# KiCad board rgbwstrip120_250_panel.kicad_pcb (continued)
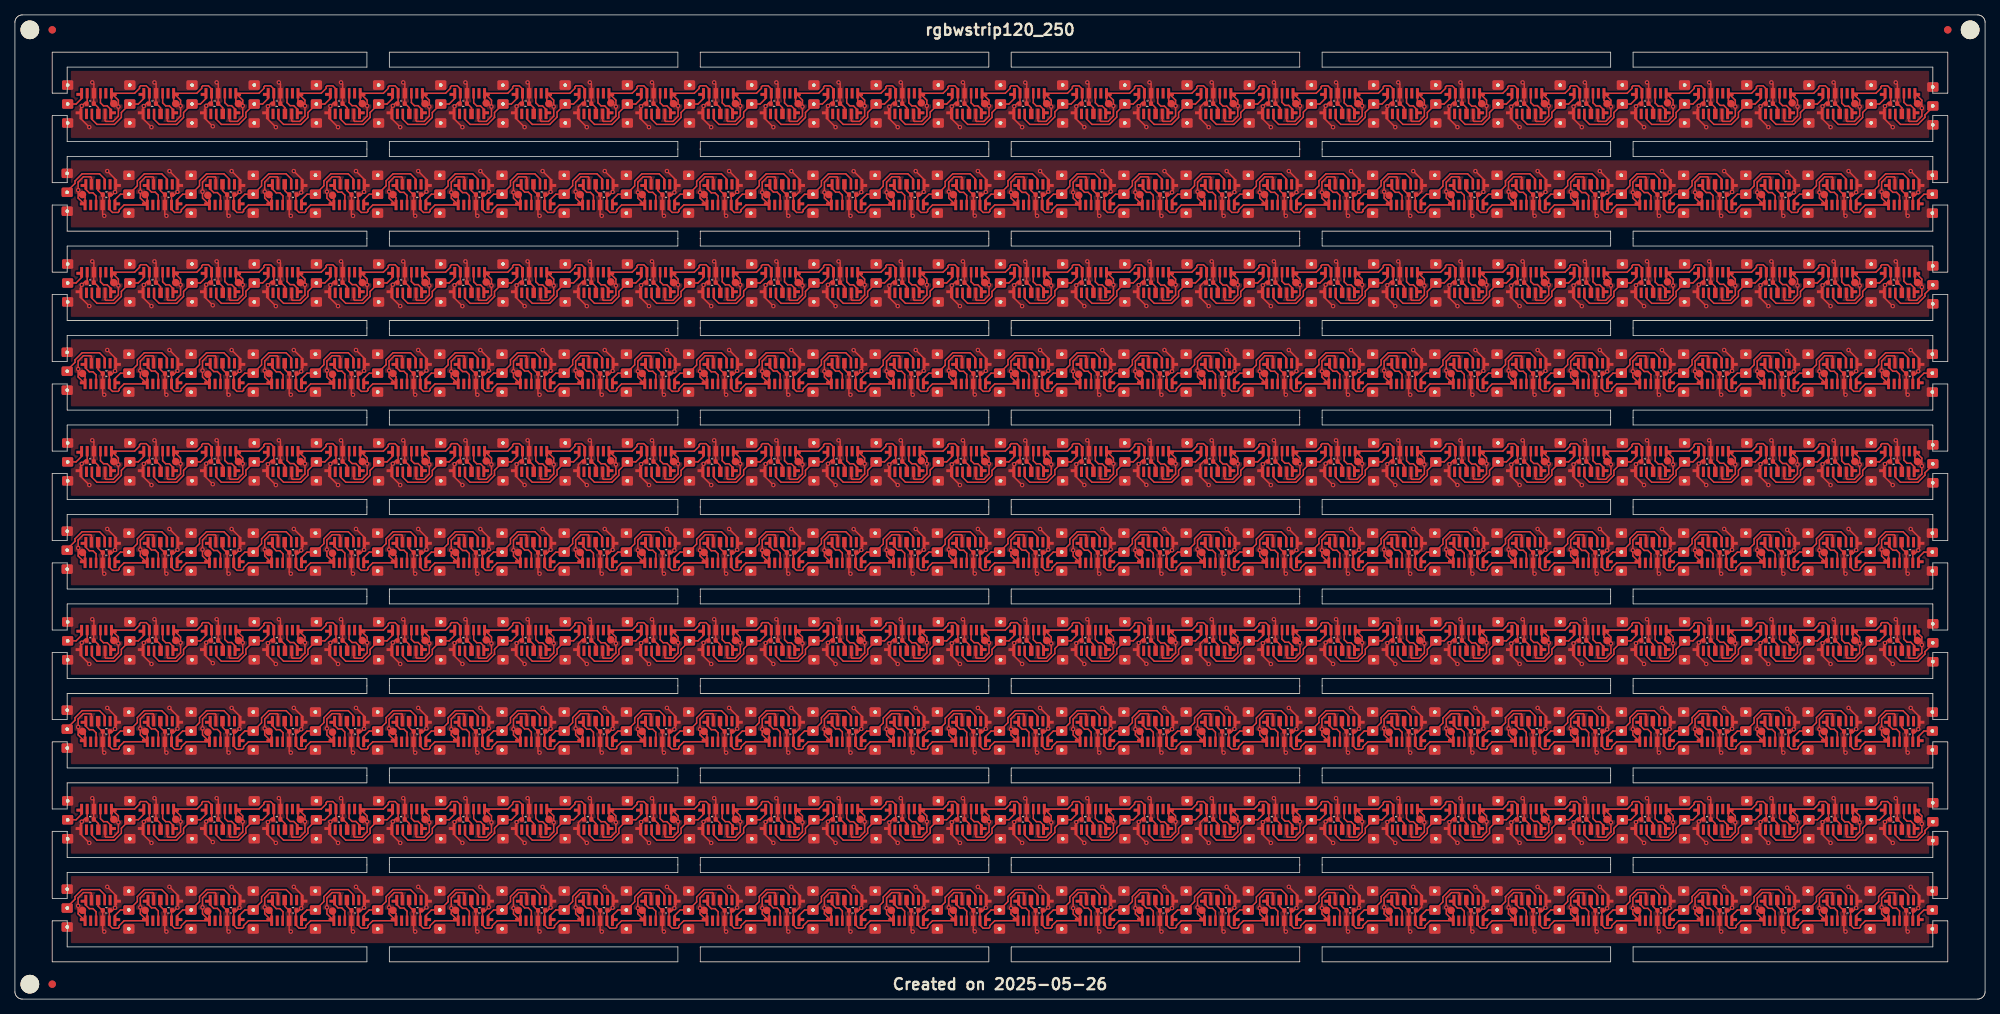
[diagram p0: board, top side]
## Nets (continued)
Board_2-Net-(J31-Pin_2): J31#3.2 U59#3.3
Board_2-Net-(U1-DIN): U1.6 U2#8.3
Board_2-Net-(U3-DIN): U3#3.6 U4#3.3
Board_2-Net-(U5-DIN): U5#5.6 U6#9.3
Board_2-Net-(U7-DIN): U7#3.6 U8#5.3
Board_2-Net-(U10-DOUT): U9.6 U10.3
Board_2-Net-(U11-DIN): U11#5.6 U12#6.3
Board_2-Net-(U13-DIN): U13#7.6 U14.3
Board_2-Net-(U15-DIN): U15.6 U16#3.3
Board_2-Net-(U17-DIN): U17#9.6 U18#9.3
Board_2-Net-(U19-DIN): U19#7.6 U20#7.3
Board_2-Net-(U21-DIN): U21#6.6 U22#7.3
Board_2-Net-(U23-DIN): U23.6 U24.3
Board_2-Net-(U25-DIN): U25#5.6 U26#7.3
Board_2-Net-(U27-DIN): U27#5.6 U28#9.3
Board_2-Net-(U29-DIN): U29#3.6 U30#4.3
Board_2-Net-(U31-DIN): U31#8.6 U32#4.3
Board_2-Net-(U33-DIN): U33#6.6 U34.3
Board_2-Net-(U35-DIN): U35#8.6 U36#10.3
Board_2-Net-(U37-DIN): U37#6.6 U38#8.3
Board_2-Net-(U39-DIN): U39#7.6 U40#5.3
Board_2-Net-(U41-DIN): U41#5.6 U42#9.3
Board_2-Net-(U43-DIN): U43#8.6 U44#4.3
Board_2-Net-(U45-DIN): U45#10.6 U46#8.3
Board_2-Net-(U47-DIN): U47#10.6 U48#5.3
Board_2-Net-(U49-DIN): U49#4.6 U50#9.3
Board_2-Net-(U51-DIN): U51.6 U52#6.3
Board_2-Net-(U53-DIN): U53#3.6 U54#2.3
Board_2-Net-(U55-DIN): U55#3.6 U56#8.3
Board_2-Net-(U57-DIN): U57#7.6 U58#8.3
Board_2-Net-(U59-DIN): U59#3.6 U60#2.3
Board_2-unconnected-(U1-NC-Pad2): U1.2
Board_2-unconnected-(U2-NC-Pad2): U2#8.2
Board_2-unconnected-(U3-NC-Pad2): U3#3.2
Board_2-unconnected-(U4-NC-Pad2): U4#3.2
Board_2-unconnected-(U5-NC-Pad2): U5#5.2
Board_2-unconnected-(U6-NC-Pad2): U6#9.2
Board_2-unconnected-(U7-NC-Pad2): U7#3.2
Board_2-unconnected-(U8-NC-Pad2): U8#5.2
Board_2-unconnected-(U9-NC-Pad2): U9.2
Board_2-unconnected-(U10-NC-Pad2): U10.2
Board_2-unconnected-(U11-NC-Pad2): U11#5.2
Board_2-unconnected-(U12-NC-Pad2): U12#6.2
Board_2-unconnected-(U13-NC-Pad2): U13#7.2
Board_2-unconnected-(U14-NC-Pad2): U14.2
Board_2-unconnected-(U15-NC-Pad2): U15.2
Board_2-unconnected-(U16-NC-Pad2): U16#3.2
Board_2-unconnected-(U17-NC-Pad2): U17#9.2
Board_2-unconnected-(U18-NC-Pad2): U18#9.2
Board_2-unconnected-(U19-NC-Pad2): U19#7.2
Board_2-unconnected-(U20-NC-Pad2): U20#7.2
Board_2-unconnected-(U21-NC-Pad2): U21#6.2
Board_2-unconnected-(U22-NC-Pad2): U22#7.2
Board_2-unconnected-(U23-NC-Pad2): U23.2
Board_2-unconnected-(U24-NC-Pad2): U24.2
Board_2-unconnected-(U25-NC-Pad2): U25#5.2
Board_2-unconnected-(U26-NC-Pad2): U26#7.2
Board_2-unconnected-(U27-NC-Pad2): U27#5.2
Board_2-unconnected-(U28-NC-Pad2): U28#9.2
Board_2-unconnected-(U29-NC-Pad2): U29#3.2
Board_2-unconnected-(U30-NC-Pad2): U30#4.2
Board_2-unconnected-(U31-NC-Pad2): U31#8.2
Board_2-unconnected-(U32-NC-Pad2): U32#4.2
Board_2-unconnected-(U33-NC-Pad2): U33#6.2
Board_2-unconnected-(U34-NC-Pad2): U34.2
Board_2-unconnected-(U35-NC-Pad2): U35#8.2
Board_2-unconnected-(U36-NC-Pad2): U36#10.2
Board_2-unconnected-(U37-NC-Pad2): U37#6.2
Board_2-unconnected-(U38-NC-Pad2): U38#8.2
Board_2-unconnected-(U39-NC-Pad2): U39#7.2
Board_2-unconnected-(U40-NC-Pad2): U40#5.2
Board_2-unconnected-(U41-NC-Pad2): U41#5.2
Board_2-unconnected-(U42-NC-Pad2): U42#9.2
Board_2-unconnected-(U43-NC-Pad2): U43#8.2
Board_2-unconnected-(U44-NC-Pad2): U44#4.2
Board_2-unconnected-(U45-NC-Pad2): U45#10.2
Board_2-unconnected-(U46-NC-Pad2): U46#8.2
Board_2-unconnected-(U47-NC-Pad2): U47#10.2
Board_2-unconnected-(U48-NC-Pad2): U48#5.2
Board_2-unconnected-(U49-NC-Pad2): U49#4.2
Board_2-unconnected-(U50-NC-Pad2): U50#9.2
Board_2-unconnected-(U51-NC-Pad2): U51.2
Board_2-unconnected-(U52-NC-Pad2): U52#6.2
Board_2-unconnected-(U53-NC-Pad2): U53#3.2
Board_2-unconnected-(U54-NC-Pad2): U54#2.2
Board_2-unconnected-(U55-NC-Pad2): U55#3.2
Board_2-unconnected-(U56-NC-Pad2): U56#8.2
Board_2-unconnected-(U57-NC-Pad2): U57#7.2
Board_2-unconnected-(U58-NC-Pad2): U58#8.2
Board_2-unconnected-(U59-NC-Pad2): U59#3.2
Board_2-unconnected-(U60-NC-Pad2): U60#2.2
Board_3-+3.3V: C1#10.1 C2#5.1 C3.1 C4#7.1 C5#9.1 C6#2.1 C7#3.1 C8#4.1 C9#4.1 C10#4.1 C11#10.1 C12#9.1 C13#2.1 C14#7.1 C15#8.1 C16#6.1 C17#9.1 C18#10.1 C19#6.1 C20#3.1 C21#9.1 C22#8.1 C23#4.1 C24#4.1 C25#2.1 C26#2.1 C27.1 C28#6.1 C29#9.1 C30#3.1 J1#3.1 J2#2.1 J3#4.1 J4#4.1 J5#3.1 J6#7.1 J7#4.1 J8#5.1 J9#4.1 J10#3.1 J11#4.1 J12#5.1 J13.1 J14#6.1 J15#5.1 J16#9.1 J17#9.1 J18.1 J19#7.1 J20#6.1 J21.1 J22#5.1 J23.1 J24.1 J25#2.1 J26#7.1 J27#9.1 J28#2.1 J29#5.1 J30#2.1 J31.1 K1#10.1 K2#8.1 K3#3.1 K4#3.1 K5#8.1 K6.1 K7#6.1 K8#4.1 K9#2.1 K10#9.1 K11#4.1 K12.1 K13#3.1 K14#10.1 K15#7.1 K16#10.1 K17#4.1 K18#3.1 K19#10.1 K20#3.1 K21#10.1 K22#6.1 K23#4.1 K24#3.1 K25#4.1 K26#10.1 K27#10.1 K28#6.1 K29#4.1 K30.1 U1#8.1 U1#8.5 U2#7.1 U2#7.5 U3#6.1 U3#6.5 U4#7.1 U4#7.5 U5#6.1 U5#6.5 U6#5.1 U6#5.5 U7#5.1 U7#5.5 U8#2.1 U8#2.5 U9#7.1 U9#7.5 U10#7.1 U10#7.5 U11#9.1 U11#9.5 U12#8.1 U12#8.5 U13#3.1 U13#3.5 U14#7.1 U14#7.5 U15#3.1 U15#3.5 U16.1 U16.5 U17.1 U17.5 U18#3.1 U18#3.5 U19#8.1 U19#8.5 U20#9.1 U20#9.5 U21#4.1 U21#4.5 U22#4.1 U22#4.5 U23#9.1 U23#9.5 U24#8.1 U24#8.5 U25#6.1 U25#6.5 U26#10.1 U26#10.5 U27#2.1 U27#2.5 U28#10.1 U28#10.5 U29#7.1 U29#7.5 U30#8.1 U30#8.5 U31#5.1 U31#5.5 U32#7.1 U32#7.5 U33#7.1 U33#7.5 U34#10.1 U34#10.5 U35.1 U35.5 U36#6.1 U36#6.5 U37#9.1 U37#9.5 U38#7.1 U38#7.5 U39#4.1 U39#4.5 U40#8.1 U40#8.5 U41.1 U41.5 U42.1 U42.5 U43#3.1 U43#3.5 U44#3.1 U44#3.5 U45#5.1 U45#5.5 U46#2.1 U46#2.5 U47#2.1 U47#2.5 U48#3.1 U48#3.5 U49#5.1 U49#5.5 U50#8.1 U50#8.5 U51#4.1 U51#4.5 U52#5.1 U52#5.5 U53#10.1 U53#10.5 U54#5.1 U54#5.5 U55#7.1 U55#7.5 U56#3.1 U56#3.5 U57#6.1 U57#6.5 U58#6.1 U58#6.5 U59#2.1 U59#2.5 U60#10.1 U60#10.5
Board_3-GND: C1#10.2 C2#5.2 C3.2 C4#7.2 C5#9.2 C6#2.2 C7#3.2 C8#4.2 C9#4.2 C10#4.2 C11#10.2 C12#9.2 C13#2.2 C14#7.2 C15#8.2 C16#6.2 C17#9.2 C18#10.2 C19#6.2 C20#3.2 C21#9.2 C22#8.2 C23#4.2 C24#4.2 C25#2.2 C26#2.2 C27.2 C28#6.2 C29#9.2 C30#3.2 J1#3.3 J2#2.3 J3#4.3 J4#4.3 J5#3.3 J6#7.3 J7#4.3 J8#5.3 J9#4.3 J10#3.3 J11#4.3 J12#5.3 J13.3 J14#6.3 J15#5.3 J16#9.3 J17#9.3 J18.3 J19#7.3 J20#6.3 J21.3 J22#5.3 J23.3 J24.3 J25#2.3 J26#7.3 J27#9.3 J28#2.3 J29#5.3 J30#2.3 J31.3 U1#8.4 U2#7.4 U3#6.4 U4#7.4 U5#6.4 U6#5.4 U7#5.4 U8#2.4 U9#7.4 U10#7.4 U11#9.4 U12#8.4 U13#3.4 U14#7.4 U15#3.4 U16.4 U17.4 U18#3.4 U19#8.4 U20#9.4 U21#4.4 U22#4.4 U23#9.4 U24#8.4 U25#6.4 U26#10.4 U27#2.4 U28#10.4 U29#7.4 U30#8.4 U31#5.4 U32#7.4 U33#7.4 U34#10.4 U35.4 U36#6.4 U37#9.4 U38#7.4 U39#4.4 U40#8.4 U41.4 U42.4 U43#3.4 U44#3.4 U45#5.4 U46#2.4 U47#2.4 U48#3.4 U49#5.4 U50#8.4 U51#4.4 U52#5.4 U53#10.4 U54#5.4 U55#7.4 U56#3.4 U57#6.4 U58#6.4 U59#2.4 U60#10.4
Board_3-Net-(J1-Pin_2): J1#3.2 U2#7.6
Board_3-Net-(J2-Pin_2): J2#2.2 U1#8.3 U4#7.6
Board_3-Net-(J3-Pin_2): J3#4.2 U3#6.3 U6#5.6
Board_3-Net-(J4-Pin_2): J4#4.2 U5#6.3 U8#2.6
Board_3-Net-(J5-Pin_2): J5#3.2 U7#5.3 U10#7.6
Board_3-Net-(J6-Pin_2): J6#7.2 U9#7.3 U12#8.6
Board_3-Net-(J7-Pin_2): J7#4.2 U11#9.3 U14#7.6
Board_3-Net-(J8-Pin_2): J8#5.2 U13#3.3 U16.6
Board_3-Net-(J9-Pin_2): J9#4.2 U15#3.3 U18#3.6
Board_3-Net-(J10-Pin_2): J10#3.2 U17.3 U20#9.6
Board_3-Net-(J11-Pin_2): J11#4.2 U19#8.3 U22#4.6
Board_3-Net-(J12-Pin_2): J12#5.2 U21#4.3 U24#8.6
Board_3-Net-(J13-Pin_2): J13.2 U23#9.3 U26#10.6
Board_3-Net-(J14-Pin_2): J14#6.2 U25#6.3 U28#10.6
Board_3-Net-(J15-Pin_2): J15#5.2 U27#2.3 U30#8.6
Board_3-Net-(J16-Pin_2): J16#9.2 U29#7.3 U32#7.6
Board_3-Net-(J17-Pin_2): J17#9.2 U31#5.3 U34#10.6
Board_3-Net-(J18-Pin_2): J18.2 U33#7.3 U36#6.6
Board_3-Net-(J19-Pin_2): J19#7.2 U35.3 U38#7.6
Board_3-Net-(J20-Pin_2): J20#6.2 U37#9.3 U40#8.6
Board_3-Net-(J21-Pin_2): J21.2 U39#4.3 U42.6
Board_3-Net-(J22-Pin_2): J22#5.2 U41.3 U44#3.6
Board_3-Net-(J23-Pin_2): J23.2 U43#3.3 U46#2.6
Board_3-Net-(J24-Pin_2): J24.2 U45#5.3 U48#3.6
Board_3-Net-(J25-Pin_2): J25#2.2 U47#2.3 U50#8.6
Board_3-Net-(J26-Pin_2): J26#7.2 U49#5.3 U52#5.6
Board_3-Net-(J27-Pin_2): J27#9.2 U51#4.3 U54#5.6
Board_3-Net-(J28-Pin_2): J28#2.2 U53#10.3 U56#3.6
Board_3-Net-(J29-Pin_2): J29#5.2 U55#7.3 U58#6.6
Board_3-Net-(J30-Pin_2): J30#2.2 U57#6.3 U60#10.6
Board_3-Net-(J31-Pin_2): J31.2 U59#2.3
Board_3-Net-(U1-DIN): U1#8.6 U2#7.3
Board_3-Net-(U3-DIN): U3#6.6 U4#7.3
Board_3-Net-(U5-DIN): U5#6.6 U6#5.3
Board_3-Net-(U7-DIN): U7#5.6 U8#2.3
Board_3-Net-(U10-DOUT): U9#7.6 U10#7.3
Board_3-Net-(U11-DIN): U11#9.6 U12#8.3
Board_3-Net-(U13-DIN): U13#3.6 U14#7.3
Board_3-Net-(U15-DIN): U15#3.6 U16.3
Board_3-Net-(U17-DIN): U17.6 U18#3.3
Board_3-Net-(U19-DIN): U19#8.6 U20#9.3
Board_3-Net-(U21-DIN): U21#4.6 U22#4.3
Board_3-Net-(U23-DIN): U23#9.6 U24#8.3
Board_3-Net-(U25-DIN): U25#6.6 U26#10.3
Board_3-Net-(U27-DIN): U27#2.6 U28#10.3
Board_3-Net-(U29-DIN): U29#7.6 U30#8.3
Board_3-Net-(U31-DIN): U31#5.6 U32#7.3
Board_3-Net-(U33-DIN): U33#7.6 U34#10.3
Board_3-Net-(U35-DIN): U35.6 U36#6.3
Board_3-Net-(U37-DIN): U37#9.6 U38#7.3
Board_3-Net-(U39-DIN): U39#4.6 U40#8.3
Board_3-Net-(U41-DIN): U41.6 U42.3
Board_3-Net-(U43-DIN): U43#3.6 U44#3.3
Board_3-Net-(U45-DIN): U45#5.6 U46#2.3
Board_3-Net-(U47-DIN): U47#2.6 U48#3.3
Board_3-Net-(U49-DIN): U49#5.6 U50#8.3
Board_3-Net-(U51-DIN): U51#4.6 U52#5.3
Board_3-Net-(U53-DIN): U53#10.6 U54#5.3
Board_3-Net-(U55-DIN): U55#7.6 U56#3.3
Board_3-Net-(U57-DIN): U57#6.6 U58#6.3
Board_3-Net-(U59-DIN): U59#2.6 U60#10.3
Board_3-unconnected-(U1-NC-Pad2): U1#8.2
Board_3-unconnected-(U2-NC-Pad2): U2#7.2
Board_3-unconnected-(U3-NC-Pad2): U3#6.2
Board_3-unconnected-(U4-NC-Pad2): U4#7.2
Board_3-unconnected-(U5-NC-Pad2): U5#6.2
Board_3-unconnected-(U6-NC-Pad2): U6#5.2
Board_3-unconnected-(U7-NC-Pad2): U7#5.2
Board_3-unconnected-(U8-NC-Pad2): U8#2.2
Board_3-unconnected-(U9-NC-Pad2): U9#7.2
Board_3-unconnected-(U10-NC-Pad2): U10#7.2
Board_3-unconnected-(U11-NC-Pad2): U11#9.2
Board_3-unconnected-(U12-NC-Pad2): U12#8.2
Board_3-unconnected-(U13-NC-Pad2): U13#3.2
Board_3-unconnected-(U14-NC-Pad2): U14#7.2
Board_3-unconnected-(U15-NC-Pad2): U15#3.2
Board_3-unconnected-(U16-NC-Pad2): U16.2
Board_3-unconnected-(U17-NC-Pad2): U17.2
Board_3-unconnected-(U18-NC-Pad2): U18#3.2
Board_3-unconnected-(U19-NC-Pad2): U19#8.2
Board_3-unconnected-(U20-NC-Pad2): U20#9.2
Board_3-unconnected-(U21-NC-Pad2): U21#4.2
Board_3-unconnected-(U22-NC-Pad2): U22#4.2
Board_3-unconnected-(U23-NC-Pad2): U23#9.2
Board_3-unconnected-(U24-NC-Pad2): U24#8.2
Board_3-unconnected-(U25-NC-Pad2): U25#6.2
Board_3-unconnected-(U26-NC-Pad2): U26#10.2
Board_3-unconnected-(U27-NC-Pad2): U27#2.2
Board_3-unconnected-(U28-NC-Pad2): U28#10.2
Board_3-unconnected-(U29-NC-Pad2): U29#7.2
Board_3-unconnected-(U30-NC-Pad2): U30#8.2
Board_3-unconnected-(U31-NC-Pad2): U31#5.2
Board_3-unconnected-(U32-NC-Pad2): U32#7.2
Board_3-unconnected-(U33-NC-Pad2): U33#7.2
Board_3-unconnected-(U34-NC-Pad2): U34#10.2
Board_3-unconnected-(U35-NC-Pad2): U35.2
Board_3-unconnected-(U36-NC-Pad2): U36#6.2
Board_3-unconnected-(U37-NC-Pad2): U37#9.2
Board_3-unconnected-(U38-NC-Pad2): U38#7.2
Board_3-unconnected-(U39-NC-Pad2): U39#4.2
Board_3-unconnected-(U40-NC-Pad2): U40#8.2
Board_3-unconnected-(U41-NC-Pad2): U41.2
Board_3-unconnected-(U42-NC-Pad2): U42.2
Board_3-unconnected-(U43-NC-Pad2): U43#3.2
Board_3-unconnected-(U44-NC-Pad2): U44#3.2
Board_3-unconnected-(U45-NC-Pad2): U45#5.2
Board_3-unconnected-(U46-NC-Pad2): U46#2.2
Board_3-unconnected-(U47-NC-Pad2): U47#2.2
Board_3-unconnected-(U48-NC-Pad2): U48#3.2
Board_3-unconnected-(U49-NC-Pad2): U49#5.2
Board_3-unconnected-(U50-NC-Pad2): U50#8.2
Board_3-unconnected-(U51-NC-Pad2): U51#4.2
Board_3-unconnected-(U52-NC-Pad2): U52#5.2
Board_3-unconnected-(U53-NC-Pad2): U53#10.2
Board_3-unconnected-(U54-NC-Pad2): U54#5.2
Board_3-unconnected-(U55-NC-Pad2): U55#7.2
Board_3-unconnected-(U56-NC-Pad2): U56#3.2
Board_3-unconnected-(U57-NC-Pad2): U57#6.2
Board_3-unconnected-(U58-NC-Pad2): U58#6.2
Board_3-unconnected-(U59-NC-Pad2): U59#2.2
Board_3-unconnected-(U60-NC-Pad2): U60#10.2
Board_4-+3.3V: C1#3.1 C2#6.1 C3#7.1 C4#2.1 C5.1 C6#7.1 C7#4.1 C8#9.1 C9#3.1 C10#6.1 C11#6.1 C12#10.1 C13#7.1 C14#8.1 C15#6.1 C16#8.1 C17.1 C18#4.1 C19#10.1 C20.1 C21#4.1 C22#4.1 C23#10.1 C24#9.1 C25#8.1 C26#9.1 C27#4.1 C28.1 C29#8.1 C30#9.1 J1#4.1 J2#7.1 J3.1 J4#9.1 J5#10.1 J6#10.1 J7#10.1 J8#3.1 J9#6.1 J10#2.1 J11#9.1 J12#6.1 J13#6.1 J14#4.1 J15#3.1 J16#8.1 J17#2.1 J18#5.1 J19#3.1 J20#9.1 J21#3.1 J22.1 J23#6.1 J24#10.1 J25#9.1 J26#10.1 J27#4.1 J28#3.1 J29#8.1 J30#7.1 J31#5.1 K1#8.1 K2#7.1 K3#2.1 K4#5.1 K5#10.1 K6#2.1 K7#10.1 K8#8.1 K9.1 K10#3.1 K11#6.1 K12#2.1 K13#2.1 K14#7.1 K15#5.1 K16#3.1 K17#3.1 K18#9.1 K19#4.1 K20#2.1 K21#7.1 K22#8.1 K23#5.1 K24#7.1 K25#8.1 K26#6.1 K27#5.1 K28#3.1 K29#8.1 K30#3.1 U1#2.1 U1#2.5 U2#5.1 U2#5.5 U3#9.1 U3#9.5 U4#4.1 U4#4.5 U5#8.1 U5#8.5 U6#3.1 U6#3.5 U7#9.1 U7#9.5 U8#9.1 U8#9.5 U9#8.1 U9#8.5 U10#6.1 U10#6.5 U11#2.1 U11#2.5 U12#3.1 U12#3.5 U13#8.1 U13#8.5 U14#8.1 U14#8.5 U15#9.1 U15#9.5 U16#4.1 U16#4.5 U17#6.1 U17#6.5 U18#8.1 U18#8.5 U19#2.1 U19#2.5 U20#10.1 U20#10.5 U21#3.1 U21#3.5 U22#3.1 U22#3.5 U23#6.1 U23#6.5 U24#7.1 U24#7.5 U25#10.1 U25#10.5 U26.1 U26.5 U27#3.1 U27#3.5 U28#8.1 U28#8.5 U29#5.1 U29#5.5 U30#5.1 U30#5.5 U31#2.1 U31#2.5 U32#9.1 U32#9.5 U33#2.1 U33#2.5 U34#9.1 U34#9.5 U35#9.1 U35#9.5 U36#4.1 U36#4.5 U37.1 U37.5 U38#3.1 U38#3.5 U39#3.1 U39#3.5 U40#2.1 U40#2.5 U41#8.1 U41#8.5 U42#7.1 U42#7.5 U43.1 U43.5 U44.1 U44.5 U45#2.1 U45#2.5 U46#3.1 U46#3.5 U47#7.1 U47#7.5 U48#8.1 U48#8.5 U49#7.1 U49#7.5 U50#7.1 U50#7.5 U51#3.1 U51#3.5 U52#9.1 U52#9.5 U53#6.1 U53#6.5 U54#6.1 U54#6.5 U55#2.1 U55#2.5 U56#5.1 U56#5.5 U57#2.1 U57#2.5 U58#5.1 U58#5.5 U59#4.1 U59#4.5 U60#9.1 U60#9.5
Board_4-GND: C1#3.2 C2#6.2 C3#7.2 C4#2.2 C5.2 C6#7.2 C7#4.2 C8#9.2 C9#3.2 C10#6.2 C11#6.2 C12#10.2 C13#7.2 C14#8.2 C15#6.2 C16#8.2 C17.2 C18#4.2 C19#10.2 C20.2 C21#4.2 C22#4.2 C23#10.2 C24#9.2 C25#8.2 C26#9.2 C27#4.2 C28.2 C29#8.2 C30#9.2 J1#4.3 J2#7.3 J3.3 J4#9.3 J5#10.3 J6#10.3 J7#10.3 J8#3.3 J9#6.3 J10#2.3 J11#9.3 J12#6.3 J13#6.3 J14#4.3 J15#3.3 J16#8.3 J17#2.3 J18#5.3 J19#3.3 J20#9.3 J21#3.3 J22.3 J23#6.3 J24#10.3 J25#9.3 J26#10.3 J27#4.3 J28#3.3 J29#8.3 J30#7.3 J31#5.3 U1#2.4 U2#5.4 U3#9.4 U4#4.4 U5#8.4 U6#3.4 U7#9.4 U8#9.4 U9#8.4 U10#6.4 U11#2.4 U12#3.4 U13#8.4 U14#8.4 U15#9.4 U16#4.4 U17#6.4 U18#8.4 U19#2.4 U20#10.4 U21#3.4 U22#3.4 U23#6.4 U24#7.4 U25#10.4 U26.4 U27#3.4 U28#8.4 U29#5.4 U30#5.4 U31#2.4 U32#9.4 U33#2.4 U34#9.4 U35#9.4 U36#4.4 U37.4 U38#3.4 U39#3.4 U40#2.4 U41#8.4 U42#7.4 U43.4 U44.4 U45#2.4 U46#3.4 U47#7.4 U48#8.4 U49#7.4 U50#7.4 U51#3.4 U52#9.4 U53#6.4 U54#6.4 U55#2.4 U56#5.4 U57#2.4 U58#5.4 U59#4.4 U60#9.4
Board_4-Net-(J1-Pin_2): J1#4.2 U2#5.6
Board_4-Net-(J2-Pin_2): J2#7.2 U1#2.3 U4#4.6
Board_4-Net-(J3-Pin_2): J3.2 U3#9.3 U6#3.6
Board_4-Net-(J4-Pin_2): J4#9.2 U5#8.3 U8#9.6
Board_4-Net-(J5-Pin_2): J5#10.2 U7#9.3 U10#6.6
Board_4-Net-(J6-Pin_2): J6#10.2 U9#8.3 U12#3.6
Board_4-Net-(J7-Pin_2): J7#10.2 U11#2.3 U14#8.6
Board_4-Net-(J8-Pin_2): J8#3.2 U13#8.3 U16#4.6
Board_4-Net-(J9-Pin_2): J9#6.2 U15#9.3 U18#8.6
Board_4-Net-(J10-Pin_2): J10#2.2 U17#6.3 U20#10.6
Board_4-Net-(J11-Pin_2): J11#9.2 U19#2.3 U22#3.6
Board_4-Net-(J12-Pin_2): J12#6.2 U21#3.3 U24#7.6
Board_4-Net-(J13-Pin_2): J13#6.2 U23#6.3 U26.6
Board_4-Net-(J14-Pin_2): J14#4.2 U25#10.3 U28#8.6
Board_4-Net-(J15-Pin_2): J15#3.2 U27#3.3 U30#5.6
Board_4-Net-(J16-Pin_2): J16#8.2 U29#5.3 U32#9.6
Board_4-Net-(J17-Pin_2): J17#2.2 U31#2.3 U34#9.6
Board_4-Net-(J18-Pin_2): J18#5.2 U33#2.3 U36#4.6
Board_4-Net-(J19-Pin_2): J19#3.2 U35#9.3 U38#3.6
Board_4-Net-(J20-Pin_2): J20#9.2 U37.3 U40#2.6
Board_4-Net-(J21-Pin_2): J21#3.2 U39#3.3 U42#7.6
Board_4-Net-(J22-Pin_2): J22.2 U41#8.3 U44.6
Board_4-Net-(J23-Pin_2): J23#6.2 U43.3 U46#3.6
Board_4-Net-(J24-Pin_2): J24#10.2 U45#2.3 U48#8.6
Board_4-Net-(J25-Pin_2): J25#9.2 U47#7.3 U50#7.6
Board_4-Net-(J26-Pin_2): J26#10.2 U49#7.3 U52#9.6
Board_4-Net-(J27-Pin_2): J27#4.2 U51#3.3 U54#6.6
Board_4-Net-(J28-Pin_2): J28#3.2 U53#6.3 U56#5.6
Board_4-Net-(J29-Pin_2): J29#8.2 U55#2.3 U58#5.6
Board_4-Net-(J30-Pin_2): J30#7.2 U57#2.3 U60#9.6
Board_4-Net-(J31-Pin_2): J31#5.2 U59#4.3
Board_4-Net-(U1-DIN): U1#2.6 U2#5.3
Board_4-Net-(U3-DIN): U3#9.6 U4#4.3
Board_4-Net-(U5-DIN): U5#8.6 U6#3.3
Board_4-Net-(U7-DIN): U7#9.6 U8#9.3
Board_4-Net-(U10-DOUT): U9#8.6 U10#6.3
Board_4-Net-(U11-DIN): U11#2.6 U12#3.3
Board_4-Net-(U13-DIN): U13#8.6 U14#8.3
Board_4-Net-(U15-DIN): U15#9.6 U16#4.3
Board_4-Net-(U17-DIN): U17#6.6 U18#8.3
Board_4-Net-(U19-DIN): U19#2.6 U20#10.3
Board_4-Net-(U21-DIN): U21#3.6 U22#3.3
Board_4-Net-(U23-DIN): U23#6.6 U24#7.3
Board_4-Net-(U25-DIN): U25#10.6 U26.3
Board_4-Net-(U27-DIN): U27#3.6 U28#8.3
Board_4-Net-(U29-DIN): U29#5.6 U30#5.3
Board_4-Net-(U31-DIN): U31#2.6 U32#9.3
Board_4-Net-(U33-DIN): U33#2.6 U34#9.3
Board_4-Net-(U35-DIN): U35#9.6 U36#4.3
Board_4-Net-(U37-DIN): U37.6 U38#3.3
Board_4-Net-(U39-DIN): U39#3.6 U40#2.3
Board_4-Net-(U41-DIN): U41#8.6 U42#7.3
Board_4-Net-(U43-DIN): U43.6 U44.3
Board_4-Net-(U45-DIN): U45#2.6 U46#3.3
Board_4-Net-(U47-DIN): U47#7.6 U48#8.3
Board_4-Net-(U49-DIN): U49#7.6 U50#7.3
Board_4-Net-(U51-DIN): U51#3.6 U52#9.3
Board_4-Net-(U53-DIN): U53#6.6 U54#6.3
Board_4-Net-(U55-DIN): U55#2.6 U56#5.3
Board_4-Net-(U57-DIN): U57#2.6 U58#5.3
Board_4-Net-(U59-DIN): U59#4.6 U60#9.3
Board_4-unconnected-(U1-NC-Pad2): U1#2.2
Board_4-unconnected-(U2-NC-Pad2): U2#5.2
Board_4-unconnected-(U3-NC-Pad2): U3#9.2
Board_4-unconnected-(U4-NC-Pad2): U4#4.2
Board_4-unconnected-(U5-NC-Pad2): U5#8.2
Board_4-unconnected-(U6-NC-Pad2): U6#3.2
Board_4-unconnected-(U7-NC-Pad2): U7#9.2
Board_4-unconnected-(U8-NC-Pad2): U8#9.2
Board_4-unconnected-(U9-NC-Pad2): U9#8.2
Board_4-unconnected-(U10-NC-Pad2): U10#6.2
Board_4-unconnected-(U11-NC-Pad2): U11#2.2
Board_4-unconnected-(U12-NC-Pad2): U12#3.2
Board_4-unconnected-(U13-NC-Pad2): U13#8.2
Board_4-unconnected-(U14-NC-Pad2): U14#8.2
Board_4-unconnected-(U15-NC-Pad2): U15#9.2
Board_4-unconnected-(U16-NC-Pad2): U16#4.2
Board_4-unconnected-(U17-NC-Pad2): U17#6.2
Board_4-unconnected-(U18-NC-Pad2): U18#8.2
Board_4-unconnected-(U19-NC-Pad2): U19#2.2
Board_4-unconnected-(U20-NC-Pad2): U20#10.2
Board_4-unconnected-(U21-NC-Pad2): U21#3.2
Board_4-unconnected-(U22-NC-Pad2): U22#3.2
Board_4-unconnected-(U23-NC-Pad2): U23#6.2
Board_4-unconnected-(U24-NC-Pad2): U24#7.2
Board_4-unconnected-(U25-NC-Pad2): U25#10.2
Board_4-unconnected-(U26-NC-Pad2): U26.2
Board_4-unconnected-(U27-NC-Pad2): U27#3.2
Board_4-unconnected-(U28-NC-Pad2): U28#8.2
Board_4-unconnected-(U29-NC-Pad2): U29#5.2
Board_4-unconnected-(U30-NC-Pad2): U30#5.2
Board_4-unconnected-(U31-NC-Pad2): U31#2.2
Board_4-unconnected-(U32-NC-Pad2): U32#9.2
Board_4-unconnected-(U33-NC-Pad2): U33#2.2
Board_4-unconnected-(U34-NC-Pad2): U34#9.2
Board_4-unconnected-(U35-NC-Pad2): U35#9.2
Board_4-unconnected-(U36-NC-Pad2): U36#4.2
Board_4-unconnected-(U37-NC-Pad2): U37.2
Board_4-unconnected-(U38-NC-Pad2): U38#3.2
Board_4-unconnected-(U39-NC-Pad2): U39#3.2
Board_4-unconnected-(U40-NC-Pad2): U40#2.2
Board_4-unconnected-(U41-NC-Pad2): U41#8.2
Board_4-unconnected-(U42-NC-Pad2): U42#7.2
Board_4-unconnected-(U43-NC-Pad2): U43.2
Board_4-unconnected-(U44-NC-Pad2): U44.2
Board_4-unconnected-(U45-NC-Pad2): U45#2.2
Board_4-unconnected-(U46-NC-Pad2): U46#3.2
Board_4-unconnected-(U47-NC-Pad2): U47#7.2
Board_4-unconnected-(U48-NC-Pad2): U48#8.2
Board_4-unconnected-(U49-NC-Pad2): U49#7.2
Board_4-unconnected-(U50-NC-Pad2): U50#7.2
Board_4-unconnected-(U51-NC-Pad2): U51#3.2
Board_4-unconnected-(U52-NC-Pad2): U52#9.2
Board_4-unconnected-(U53-NC-Pad2): U53#6.2
Board_4-unconnected-(U54-NC-Pad2): U54#6.2
Board_4-unconnected-(U55-NC-Pad2): U55#2.2
Board_4-unconnected-(U56-NC-Pad2): U56#5.2
Board_4-unconnected-(U57-NC-Pad2): U57#2.2
Board_4-unconnected-(U58-NC-Pad2): U58#5.2
Board_4-unconnected-(U59-NC-Pad2): U59#4.2
Board_4-unconnected-(U60-NC-Pad2): U60#9.2
Board_5-+3.3V: C1.1 C2#8.1 C3#6.1 C4#8.1 C5#4.1 C6.1 C7#7.1 C8#8.1 C9.1 C10#3.1 C11#3.1 C12#8.1 C13#10.1 C14#6.1 C15#10.1 C16#7.1 C17#6.1 C18#5.1 C19#7.1 C20#10.1 C21#6.1 C22#7.1 C23#7.1 C24#6.1 C25#4.1 C26#3.1 C27#3.1 C28#2.1 C29#10.1 C30#5.1 J1#5.1 J2.1 J3#5.1 J4#5.1 J5.1 J6#6.1 J7#5.1 J8#6.1 J9#9.1 J10#10.1 J11#2.1 J12#3.1 J13#4.1 J14#8.1 J15.1 J16#4.1 J17#3.1 J18#4.1 J19#4.1 J20#3.1 J21#6.1 J22#3.1 J23#5.1 J24#6.1 J25#3.1 J26#9.1 J27#7.1 J28#4.1 J29#10.1 J30#9.1 J31#9.1 K1.1 K2#9.1 K3#10.1 K4#10.1 K5.1 K6#5.1 K7#4.1 K8#10.1 K9#9.1 K10#5.1 K11#2.1 K12#6.1 K13#10.1 K14#4.1 K15#6.1 K16#5.1 K17#10.1 K18#7.1 K19#8.1 K20#4.1 K21#5.1 K22#9.1 K23#8.1 K24#10.1 K25#2.1 K26#9.1 K27#7.1 K28#10.1 K29#5.1 K30#2.1 U1#9.1 U1#9.5 U2#10.1 U2#10.5 U3#5.1 U3#5.5 U4#5.1 U4#5.5 U5#10.1 U5#10.5 U6.1 U6.5 U7.1 U7.5 U8#10.1 U8#10.5 U9#6.1 U9#6.5 U10#3.1 U10#3.5 U11.1 U11.5 U12#7.1 U12#7.5 U13.1 U13.5 U14#10.1 U14#10.5 U15#2.1 U15#2.5 U16#10.1 U16#10.5 U17#8.1 U17#8.5 U18#7.1 U18#7.5 U19#3.1 U19#3.5 U20#6.1 U20#6.5 U21#5.1 U21#5.5 U22#5.1 U22#5.5 U23#7.1 U23#7.5 U24#6.1 U24#6.5 U25#7.1 U25#7.5 U26#5.1 U26#5.5 U27#4.1 U27#4.5 U28#2.1 U28#2.5 U29#10.1 U29#10.5 U30#10.1 U30#10.5 U31#10.1 U31#10.5 U32#10.1 U32#10.5 U33#10.1 U33#10.5 U34#3.1 U34#3.5 U35#5.1 U35#5.5 U36#8.1 U36#8.5 U37#3.1 U37#3.5 U38#2.1 U38#2.5 U39#5.1 U39#5.5 U40#10.1 U40#10.5 U41#4.1 U41#4.5 U42#10.1 U42#10.5 U43#7.1 U43#7.5 U44#2.1 U44#2.5 U45#9.1 U45#9.5 U46#9.1 U46#9.5 U47#4.1 U47#4.5 U48#7.1 U48#7.5 U49#8.1 U49#8.5 U50#5.1 U50#5.5 U51#2.1 U51#2.5 U52#3.1 U52#3.5 U53#9.1 U53#9.5 U54.1 U54.5 U55.1 U55.5 U56#10.1 U56#10.5 U57#9.1 U57#9.5 U58#2.1 U58#2.5 U59#6.1 U59#6.5 U60#6.1 U60#6.5
Board_5-GND: C1.2 C2#8.2 C3#6.2 C4#8.2 C5#4.2 C6.2 C7#7.2 C8#8.2 C9.2 C10#3.2 C11#3.2 C12#8.2 C13#10.2 C14#6.2 C15#10.2 C16#7.2 C17#6.2 C18#5.2 C19#7.2 C20#10.2 C21#6.2 C22#7.2 C23#7.2 C24#6.2 C25#4.2 C26#3.2 C27#3.2 C28#2.2 C29#10.2 C30#5.2 J1#5.3 J2.3 J3#5.3 J4#5.3 J5.3 J6#6.3 J7#5.3 J8#6.3 J9#9.3 J10#10.3 J11#2.3 J12#3.3 J13#4.3 J14#8.3 J15.3 J16#4.3 J17#3.3 J18#4.3 J19#4.3 J20#3.3 J21#6.3 J22#3.3 J23#5.3 J24#6.3 J25#3.3 J26#9.3 J27#7.3 J28#4.3 J29#10.3 J30#9.3 J31#9.3 U1#9.4 U2#10.4 U3#5.4 U4#5.4 U5#10.4 U6.4 U7.4 U8#10.4 U9#6.4 U10#3.4 U11.4 U12#7.4 U13.4 U14#10.4 U15#2.4 U16#10.4 U17#8.4 U18#7.4 U19#3.4 U20#6.4 U21#5.4 U22#5.4 U23#7.4 U24#6.4 U25#7.4 U26#5.4 U27#4.4 U28#2.4 U29#10.4 U30#10.4 U31#10.4 U32#10.4 U33#10.4 U34#3.4 U35#5.4 U36#8.4 U37#3.4 U38#2.4 U39#5.4 U40#10.4 U41#4.4 U42#10.4 U43#7.4 U44#2.4 U45#9.4 U46#9.4 U47#4.4 U48#7.4 U49#8.4 U50#5.4 U51#2.4 U52#3.4 U53#9.4 U54.4 U55.4 U56#10.4 U57#9.4 U58#2.4 U59#6.4 U60#6.4
Board_5-Net-(J1-Pin_2): J1#5.2 U2#10.6
Board_5-Net-(J2-Pin_2): J2.2 U1#9.3 U4#5.6
Board_5-Net-(J3-Pin_2): J3#5.2 U3#5.3 U6.6
Board_5-Net-(J4-Pin_2): J4#5.2 U5#10.3 U8#10.6
Board_5-Net-(J5-Pin_2): J5.2 U7.3 U10#3.6
Board_5-Net-(J6-Pin_2): J6#6.2 U9#6.3 U12#7.6
Board_5-Net-(J7-Pin_2): J7#5.2 U11.3 U14#10.6
Board_5-Net-(J8-Pin_2): J8#6.2 U13.3 U16#10.6
Board_5-Net-(J9-Pin_2): J9#9.2 U15#2.3 U18#7.6
Board_5-Net-(J10-Pin_2): J10#10.2 U17#8.3 U20#6.6
Board_5-Net-(J11-Pin_2): J11#2.2 U19#3.3 U22#5.6
Board_5-Net-(J12-Pin_2): J12#3.2 U21#5.3 U24#6.6
Board_5-Net-(J13-Pin_2): J13#4.2 U23#7.3 U26#5.6
Board_5-Net-(J14-Pin_2): J14#8.2 U25#7.3 U28#2.6
Board_5-Net-(J15-Pin_2): J15.2 U27#4.3 U30#10.6
Board_5-Net-(J16-Pin_2): J16#4.2 U29#10.3 U32#10.6
Board_5-Net-(J17-Pin_2): J17#3.2 U31#10.3 U34#3.6
Board_5-Net-(J18-Pin_2): J18#4.2 U33#10.3 U36#8.6
Board_5-Net-(J19-Pin_2): J19#4.2 U35#5.3 U38#2.6
Board_5-Net-(J20-Pin_2): J20#3.2 U37#3.3 U40#10.6
Board_5-Net-(J21-Pin_2): J21#6.2 U39#5.3 U42#10.6
Board_5-Net-(J22-Pin_2): J22#3.2 U41#4.3 U44#2.6
Board_5-Net-(J23-Pin_2): J23#5.2 U43#7.3 U46#9.6
Board_5-Net-(J24-Pin_2): J24#6.2 U45#9.3 U48#7.6
Board_5-Net-(J25-Pin_2): J25#3.2 U47#4.3 U50#5.6
Board_5-Net-(J26-Pin_2): J26#9.2 U49#8.3 U52#3.6
Board_5-Net-(J27-Pin_2): J27#7.2 U51#2.3 U54.6
Board_5-Net-(J28-Pin_2): J28#4.2 U53#9.3 U56#10.6
Board_5-Net-(J29-Pin_2): J29#10.2 U55.3 U58#2.6
Board_5-Net-(J30-Pin_2): J30#9.2 U57#9.3 U60#6.6
Board_5-Net-(J31-Pin_2): J31#9.2 U59#6.3
Board_5-Net-(U1-DIN): U1#9.6 U2#10.3
Board_5-Net-(U3-DIN): U3#5.6 U4#5.3
Board_5-Net-(U5-DIN): U5#10.6 U6.3
Board_5-Net-(U7-DIN): U7.6 U8#10.3
Board_5-Net-(U10-DOUT): U9#6.6 U10#3.3
Board_5-Net-(U11-DIN): U11.6 U12#7.3
Board_5-Net-(U13-DIN): U13.6 U14#10.3
Board_5-Net-(U15-DIN): U15#2.6 U16#10.3
Board_5-Net-(U17-DIN): U17#8.6 U18#7.3
Board_5-Net-(U19-DIN): U19#3.6 U20#6.3
Board_5-Net-(U21-DIN): U21#5.6 U22#5.3
Board_5-Net-(U23-DIN): U23#7.6 U24#6.3
Board_5-Net-(U25-DIN): U25#7.6 U26#5.3
Board_5-Net-(U27-DIN): U27#4.6 U28#2.3
Board_5-Net-(U29-DIN): U29#10.6 U30#10.3
Board_5-Net-(U31-DIN): U31#10.6 U32#10.3
Board_5-Net-(U33-DIN): U33#10.6 U34#3.3
Board_5-Net-(U35-DIN): U35#5.6 U36#8.3
Board_5-Net-(U37-DIN): U37#3.6 U38#2.3
Board_5-Net-(U39-DIN): U39#5.6 U40#10.3
Board_5-Net-(U41-DIN): U41#4.6 U42#10.3
Board_5-Net-(U43-DIN): U43#7.6 U44#2.3
Board_5-Net-(U45-DIN): U45#9.6 U46#9.3
Board_5-Net-(U47-DIN): U47#4.6 U48#7.3
Board_5-Net-(U49-DIN): U49#8.6 U50#5.3
Board_5-Net-(U51-DIN): U51#2.6 U52#3.3
Board_5-Net-(U53-DIN): U53#9.6 U54.3
Board_5-Net-(U55-DIN): U55.6 U56#10.3
Board_5-Net-(U57-DIN): U57#9.6 U58#2.3
Board_5-Net-(U59-DIN): U59#6.6 U60#6.3
Board_5-unconnected-(U1-NC-Pad2): U1#9.2
Board_5-unconnected-(U2-NC-Pad2): U2#10.2
Board_5-unconnected-(U3-NC-Pad2): U3#5.2
Board_5-unconnected-(U4-NC-Pad2): U4#5.2
Board_5-unconnected-(U5-NC-Pad2): U5#10.2
Board_5-unconnected-(U6-NC-Pad2): U6.2
Board_5-unconnected-(U7-NC-Pad2): U7.2
Board_5-unconnected-(U8-NC-Pad2): U8#10.2
Board_5-unconnected-(U9-NC-Pad2): U9#6.2
Board_5-unconnected-(U10-NC-Pad2): U10#3.2
Board_5-unconnected-(U11-NC-Pad2): U11.2